# KiCad board tc2-panel.kicad_pcb (continued)
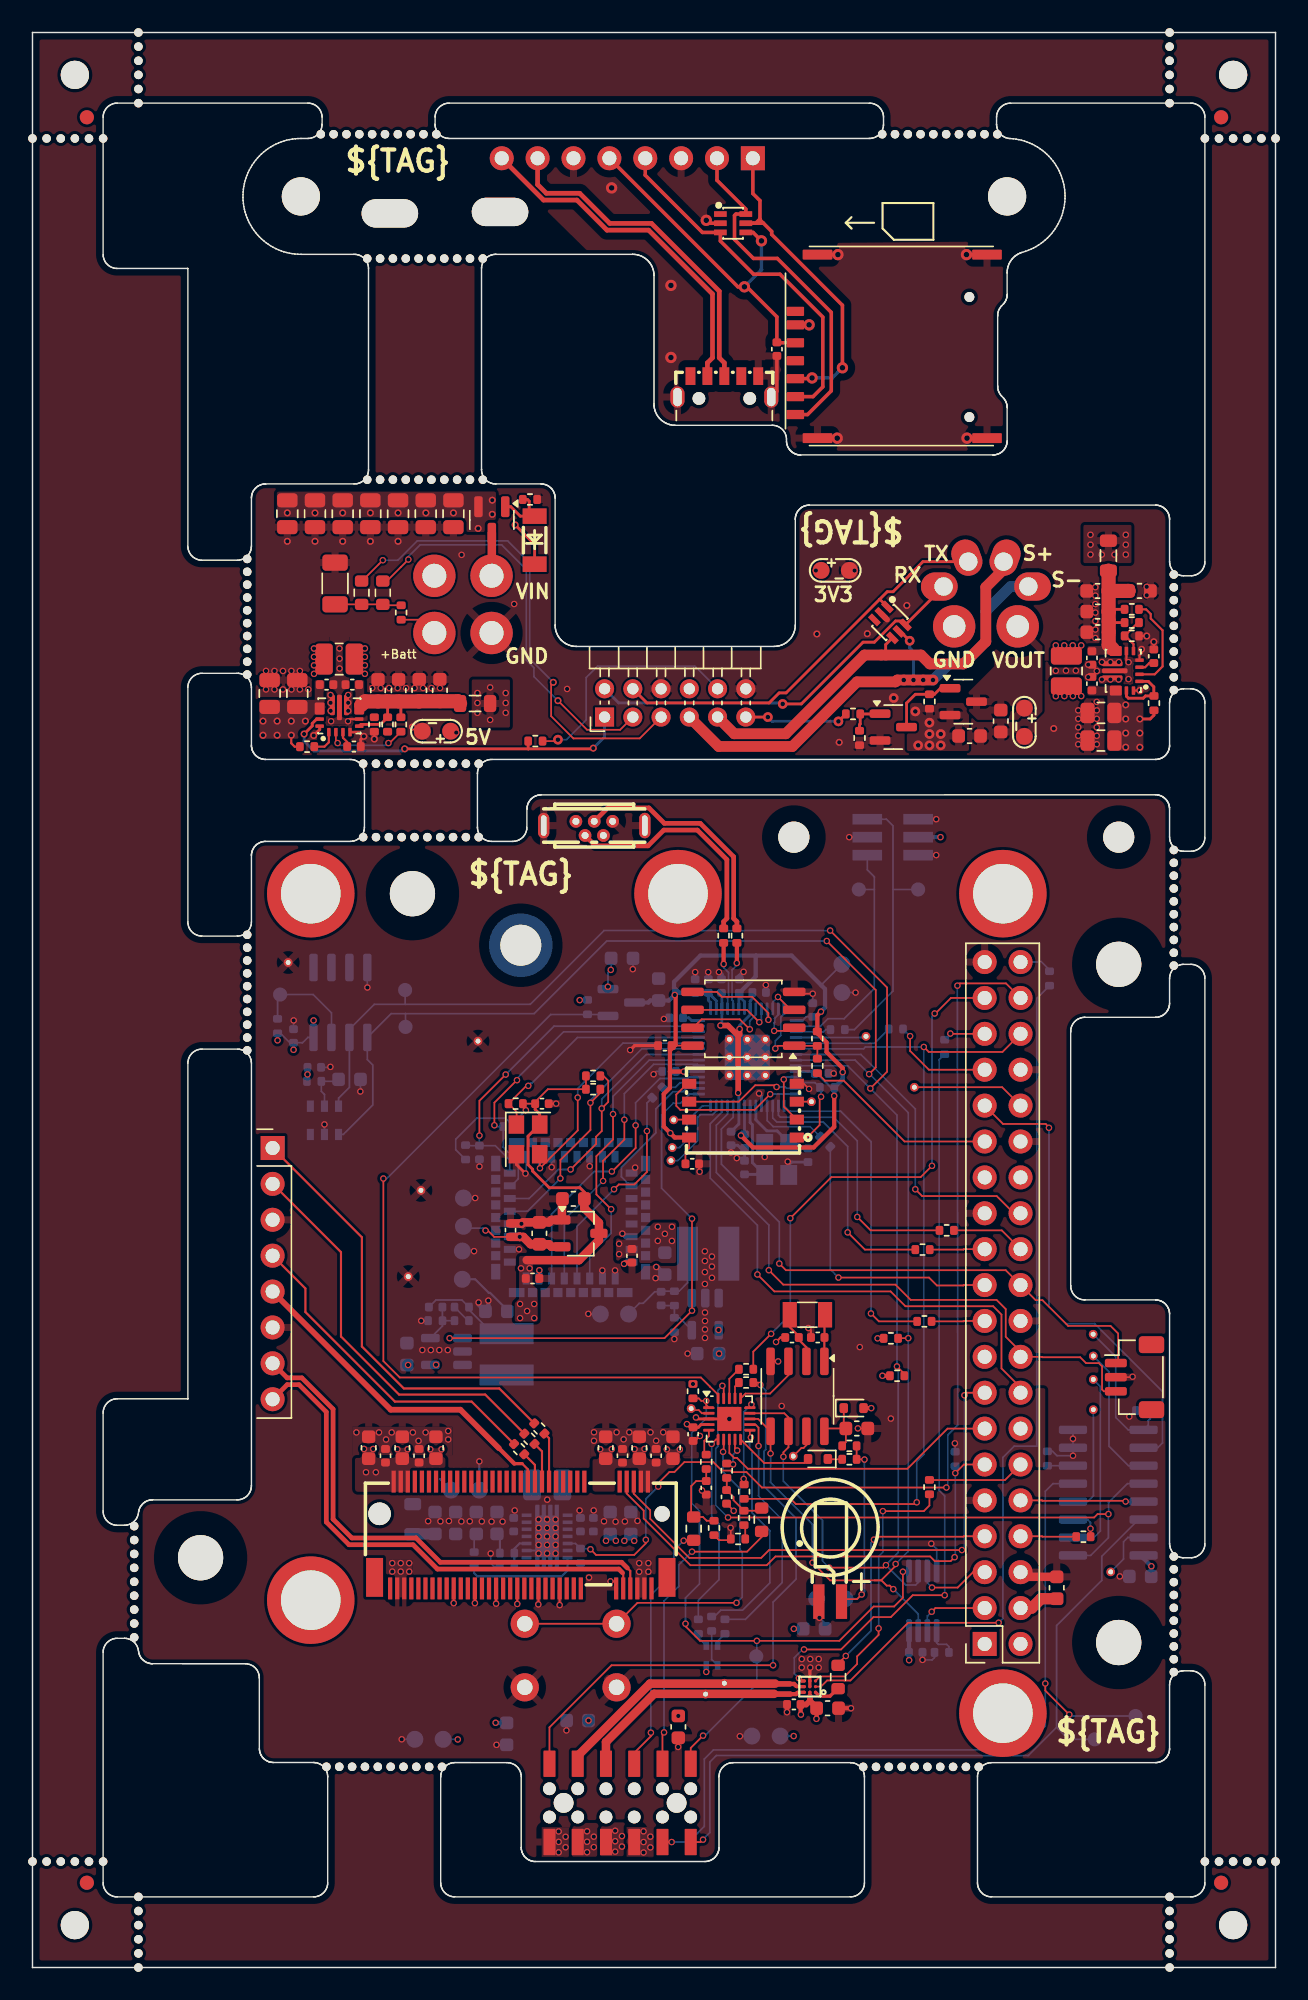
[diagram p0: board, top side]
## Placement (name value [footprint] x y rotation side) (continued)
R206  100k  [R_0402_1005Metric]  58.55 87.02 90 top
R207  470k  [R_0402_1005Metric]  77.83 95.19 0 top
R208  10k  [R_0402_1005Metric]  79.4 89.48 90 top
R209  150k  [R_0402_1005Metric]  77.83 94.25 0 top
R210  100k  [R_0402_1005Metric]  77.83 96.12 0 top
R211  100k  [R_0402_1005Metric]  35.6 86.8 180 top
R212  680k  [R_0402_1005Metric]  25.14 87.97 270 top  (not fitted)
R213  10k  [R_0402_1005Metric]  19.44 86.41 0 top
R214  130k  [R_0402_1005Metric]  24.2 87.97 270 top  (not fitted)
R215  100k  [R_0402_1005Metric]  26.08 87.97 270 top
R217  180R  [R_0402_1005Metric]  26.1 95.9 270 top
SW101  SW_Push  [SW_PUSH_6mm]  41.35 24.33 180 bottom
TP101  TestPoint  [TestPoint_Pad_D1.0mm]  62.7 76.3 180 bottom
TP102  TestPoint  [TestPoint_Pad_D1.0mm]  58.5 76.3 180 bottom
TP103  TP_2P  [test-point-2p]  57.3 70 90 bottom
TP104  TestPoint  [TP]  18.1 71.13 0 top
TP105  TestPoint  [TP]  31.54 65.56 180 bottom
TP106  TestPoint  [TP]  26.6 48.9 180 bottom
TP107  TestPoint  [TP]  27.5 55 180 bottom
TP108  TestPoint  [TestPoint_Pad_D1.0mm]  26.41 66.57 180 bottom
TP109  TestPoint  [TP]  59.01 65.9 90 bottom
TP110  TestPoint  [TestPoint_Pad_D1.0mm]  26.38 69.18 180 bottom
TP111  TestPoint  [TP]  45.2 57.11 90 bottom
TP112  TestPoint  [TP]  45.29 58.03 90 bottom
TP113  TestPoint  [TP]  45.39 59.99 90 bottom
TP114  TestPoint  [TP]  55.15 61.28 90 bottom
TP115  TP_2P  [test-point-2p]  56.52 26.1 0 bottom
TP116  TestPoint  [TP]  53.86 36.19 180 top
TP117  TestPoint  [TestPoint_Pad_D1.0mm]  17.53 68.86 180 bottom
TP118  TP_2P  [test-point-2p]  28.07 16.15 0 bottom
TP119  TP_2P  [test-point-2p]  51.93 16.38 0 bottom
TP120  TestPoint  [TP]  47.65 19.35 0 top
TP121  TestPoint  [TestPoint_Pad_D1.0mm]  51.24 22.02 180 bottom
TP122  TestPoint  [TP]  48.98 20.12 0 top
TP123  TestPoint  [TP]  62.43 62.3 180 bottom
TP124  TestPoint  [TP]  75.1 41.62 180 bottom
TP125  TestPoint  [TP]  76.33 28 180 bottom
TP126  TestPoint  [TestPoint_Pad_D1.0mm]  75.2 16.15 180 bottom
TP127  TestPoint  [TP]  75.1 39.48 180 bottom
TP128  TestPoint  [TestPoint_Pad_D1.0mm]  78.09 17.8 180 bottom
TP129  TestPoint  [TP]  75.1 43.28 180 bottom
TP130  TestPoint  [TP]  75.09 44.82 180 bottom
TP131  TP_2P  [test-point-2p]  30.43 49.71 270 bottom
TP132  TP_2P  [test-point-2p]  41.2 46.25 0 bottom
TP133  TP_2P  [test-point-2p]  30.51 53.46 270 bottom
TP134  TP_2P  [test-point-2p]  30.63 33.79 180 bottom
TP135  TestPoint  [TP]  46.63 39.56 180 bottom
TP201  TestPoint_2Pole  [test-point-2p]  70.22 88.13 90 top
TP202  TestPoint_2Pole  [test-point-2p]  56.83 98.88 180 top
TP203  TestPoint_2Pole  [test-point-2p]  28.6 87.5 0 top
U101  W25Q128JVS  [SOIC-8_5.23x5.23mm_P1.27mm]  50.33 67.14 180 top
U102  RP2040  [RP2040-QFN-56]  50.61 64.42 180 bottom
U103  MT29F2G01ABAGDWB-IT  [U-PDFN-8_L6.0-W8.0-P1.27-BL]  50.3 60.65 90 top
U104  AHT20_C2757850  [SENSOR-SMD_L3.0-W3.0-P1.00-BR]  20.67 59.96 90 bottom
U105  PCF8563T  [SOIC-8_3.9x4.9mm_P1.27mm]  54.16 40.42 270 top
U106  M24C02-WMN  [SOIC-8_3.9x4.9mm_P1.27mm]  21.8 68.3 270 bottom
U107  MAX98357AEWL+T  [WLP-9_L1.4-W1.3-P0.40-R3-C3-BR]  55.03 19.88 0 top
U108  TCA4311ADGKR  [MSOP-8_3x3mm_P0.65mm]  63.03 25.95 270 bottom
U109  74HC4052  [SOP-16_3.9x9.9mm_P1.27mm]  76.16 33.61 0 bottom
U110  TD6810  [TSOT-23-5]  29.31 43.6 180 bottom
U111  TD6810  [TSOT-23-5]  47.63 46.24 270 bottom
U112  ME6216A28XG  [TSOT-23]  38.79 51.96 0 top
U113  3N25000G33YC  [Oscillator_SMD_Abracon_ASE-4Pin_3.2x2.5mm]  35.08 58.61 270 top
U114  Flir_LEPTON  [MOLEX_105028-1001]  38.1 53.08 180 bottom
U115  TPS6302x  [VSON-14_L4.0-W3.0-P0.50-BL-EP_TI_DSJ]  36.43 30.51 90 bottom
U116  SIM7600G-H-M.2  [M.2]  34.57 30.61 180 top
U117  ATtiny1616-M  [VQFN-20-1EP_3x3mm_P0.4mm_EP1.7x1.7mm]  49.33 38.83 0 top
U201  TPS63070RNMR  [TPS63070]  77.22 91.78 180 top
U202  TPS63071  [TPS63070]  21.73 88.58 90 top
U501  ~  [ziptie]  25.3 124.15 270 top
U502  ~  [ziptie]  33.1 124.25 270 top
U503  ~  [K-DYX-010]  54.01 109.91 90 top
USB501  U-G-M5WS-W-01  [MICRO-USB-SMD_U-G-M5WS-W-01]  48.98 111.89 0 top
Y101  Crystal_GND24  [Crystal_SMD_3225-4Pin_3.2x2.5mm]  52.69 57.2 270 bottom
Y102  Crystal  [Crystal_SMD_3215-2Pin_3.2x1.5mm]  54.86 46.2 180 top

## Library data of the parts
BT101 = -: LCSC Part: C80909
C101-C109 C114 C117 C121 C129 C130 C141-C145 C148 C150 C158 C163 C166 C501 = -: LCSC Part: C16772
C110 C111 C119 C120 C128 C132 C133 C135-C138 C140 C208 C209 = -: LCSC Part: C19702
C112 C113 C118 = -: LCSC Part: C52923
C115 C116 C134 C139 C149 C159 C164 = -: LCSC Part: C1547
C122 C123 = -: Description: Unpolarized capacitor, small symbol; LCSC Part: C1555
C124-C127 C131 C146 C147 C151-C157 C160-C162 C214-C217 C223-C226 = -: LCSC Part: C86295
C165 C167 = -: LCSC Part: C1555
C201-C207 C210 C211 C219 C220 = -: LCSC Part: C45783
C212 C221 = -: LCSC Part: C159814
C213 C222 = -: LCSC Part: C15525
C218 C227 = -: LCSC Part: C100072
C228 = -: Description: Unpolarized capacitor, small symbol; LCSC Part: C13832
D101 D102 = -: LCSC Part: C668989; Sim.Pins: 1=K 2=A
D201 = -: LCSC Part: C7497481
D202 = -: Datasheet: https://lcsc.com/product-detail/TVS_ON_SMF05CT1G_SMF05CT1G_C15879.html; Manufacturer: ON; LCSC Part: C15879
D501 = -: Datasheet: https://lcsc.com/product-detail/TVS_ON_SMF05CT1G_SMF05CT1G_C15879.html; LCSC Part: C15879; Manufacturer: ON
FB101 FB201 FB202 = -: LCSC Part: C76818
J101 = -: LCSC Part: C3975129
J102 = -: Description: USB Micro Type B connector; LCSC Part: C145795
J103 = -: LCSC Part: C160389
J104 = -: Digikey: BF100-12-A-D-1-0640-L-C; LCSC Part: C6470934
J105-J109 = -: Description: Generic screw terminal, single row, 01x01, script generated (kicad-library-utils/schlib/autogen/connector/); LCSC Part: C2915630
J110 = -: Datasheet: https://www.raspberrypi.org/documentation/hardware/raspberrypi/schematics/rpi_SCH_3bplus_1p0_reduced.pdf; Description: expansion header for Raspberry Pi 2 & 3; LCSC Part: C350295
J112 = -: Description: Generic screw terminal, single row, 01x01, script generated (kicad-library-utils/schlib/autogen/connector/); LCSC Part: C2928176
J203 = -: Digikey: 2073-BF060-12A-B-0600-0280-0305-L-D-ND; LCSC Part: C7086099
L101 L102 = -: LCSC Part: C436646
L103 = -: LCSC Part: C285917
L201 L202 = -: LCSC Part: C5179452
LED101 = -: Manufacturer: 国星光电; LCSC Part: C2874115; JLC Part: Extended Part
Q101 = -: Description: P-MOSFET transistor, gate/source/drain; LCSC Part: C15127
Q201 Q202 = -: LCSC Part: C15127
Q203 = -: Datasheet: http://www.aosmd.com/pdfs/datasheet/AO3400A.pdf; Description: 30V Vds, 5.7A Id, N-Channel MOSFET, SOT-23; LCSC Part: C20917
R101 R111 R115 R117 R125 R126 R129-R131 R133 R134 R136 R137 R141 R142 R149 R201 R204 R206 R210 R211 R215 = -: LCSC Part: C25741
R102-R104 R110 R119-R124 R135 R143-R145 = -: LCSC Part: C25092
R105 R107 R127 R147 R151 R208 R213 = -: LCSC Part: C25744
R106 R109 R113 R114 R118 R154-R156 R205 = -: LCSC Part: C11702
R112 R157-R159 R217 = -: LCSC Part: C38941
R116 = -: LCSC Part: C326730
R128 = -: LCSC Part: C2943536
R132 = -: LCSC Part: C25741; MPN: RC1005F103CS
R138 R139 = -: LCSC Part: C26083
R140 = -: LCSC Part: C25755
R146 R150 R202 R203 = -: Description: Resistor; LCSC Part: C326730
R152 = -: LCSC Part: C445619
R153 = -: LCSC Part: C445618
R160 R207 = -: LCSC Part: C319591
R209 = -: LCSC Part: C723770
SW101 = -: Description: Push button switch, generic, two pins; LCSC Part: C4364951
TP101 TP102 TP108 TP110 TP117 TP121 TP126 TP128 = -: Description: test point
U101 = -: Datasheet: http://www.winbond.com/resource-files/w25q128jv_dtr%20revc%2003272018%20plus.pdf; Description: 128Mb Serial Flash Memory, Standard/Dual/Quad SPI, SOIC-8; LCSC Part: C97521
U102 = -: Datasheet: https://datasheets.raspberrypi.com/rp2040/rp2040-datasheet.pdf; LCSC: C2040; LCSC Part: C2040
U103 = -: Datasheet: https://lcsc.com/product-detail/FLASH_Micron-Tech-MT29F2G01ABAGDWB-IT-G_C410863.html; JLC Part: Extended Part; LCSC Part: C410863; Manufacturer: micron(镁光)
U104 = -: LCSC Part: C2757850
U105 = -: Datasheet: https://www.nxp.com/docs/en/data-sheet/PCF8563.pdf; LCSC Part: C7440
U106 = -: Datasheet: http://www.st.com/content/ccc/resource/technical/document/datasheet/b0/d8/50/40/5a/85/49/6f/DM00071904.pdf/files/DM00071904.pdf/jcr:content/translations/en.DM00071904.pdf; LCSC Part: C7562
U107 = -: JLC Part: Extended Part; LCSC Part: C2682619; Manufacturer: ADI(亚德诺)
U108 = -: Datasheet: https://lcsc.com/product-detail/Interface-ICs_TI_TCA4311ADGKR_TCA4311ADGKR_C130025.html; LCSC Part: C130025
U109 = -: Datasheet: https://lcsc.com/product-detail/Analog-Switches_AiP74HC4052_C111594.html; LCSC Part: C111594
U110 U111 = -: Datasheet: https://datasheet.lcsc.com/lcsc/1810182213_Techcode-Semicon-TD6810_C16510.pdf; LCSC Part: C16510
U112 = -: Datasheet: https://datasheet.lcsc.com/lcsc/1912111437_MICRONE-Nanjing-Micro-One-Elec-ME6216A28XG_C427601.pdf; LCSC Part: C427601
U113 = -: Datasheet: https://datasheet.lcsc.com/lcsc/1810271633_SJK-SHENZHEN-CRYSTAL-TECH-3N25000G33YC_C252341.pdf; JLCPCB: C252341; LCSC Part: C252341
U114 = -: Datasheet: https://cdn.sparkfun.com/datasheets/Sensors/Infrared/FLIR_Lepton_Data_Brief.pdf; LCSC Part: C585422; MPN: 1050281001
U115 = -: Datasheet: https://www.ti.com/lit/ds/symlink/tps63020.pdf?HQS=dis-dk-null-digikeymode-dsf-pf-null-wwe&ts=1663326350484&ref_url=https%253A%252F%252Fwww.ti.com%252Fgeneral%252Fdocs%252Fsuppproductinfo.tsp%253FdistId%253D10%2526gotoUrl%253Dhttps%253A%252F%252Fwww.ti.com%252Flit%252Fgpn%252Ftps63020; LCSC Part: C15483
U116 = -: LCSC Part: C2761526
U117 = -: Datasheet: http://ww1.microchip.com/downloads/en/DeviceDoc/ATtiny3216_ATtiny1616-data-sheet-40001997B.pdf; LCSC Part: C507118
U201 = -: Datasheet: https://www.ti.com/lit/ds/symlink/tps63070.pdf?HQS=dis-dk-null-digikeymode-dsf-pf-null-wwe&ts=1731997103101; LCSC Part: C109322
U202 = -: Datasheet: https://lcsc.com/product-detail/DC-DC-Converters_TI_TPS63070RNMR_TPS63070RNMR_C109322.html; LCSC Part: C2876599
U503 = -: LCSC Part: C2919617
USB501 = -: LCSC Part: C283546
Y101 = -: LCSC Part: C9002
Y102 = -: LCSC Part: C32346

## Footprints (pads in the part's own frame, mm; a bottom-side part is the same pattern mirrored in y, then rotated)
C_0402_1005Metric
  rrect 0.56x0.62 smd: 1(-0.48,0) 2(0.48,0)
C_0603_1608Metric
  rrect 0.9x0.95 smd: 1(-0.775,0) 2(0.775,0)
C_0805_2012Metric
  rrect 1x1.45 smd: 1(-0.95,0) 2(0.95,0)
C_1206_3216Metric
  rrect 1.15x1.8 smd: 1(-1.475,0) 2(1.475,0)
CAP-SMD_FL11E
  rect 2.45x0.79 smd: 1(0.175,0.805)
  rect 2.45x0.8 smd: 2(0.175,-0.8)
Crystal_SMD_3215-2Pin_3.2x1.5mm
  rect 1x1.8 smd: 1(1.25,0) 2(-1.25,0)
Crystal_SMD_3225-4Pin_3.2x2.5mm
  rect 1.4x1.2 smd: 1(-1.1,-0.85) 2(1.1,-0.85) 3(1.1,0.85) 4(-1.1,0.85)
D_SOD-523
  rrect 0.6x0.7 smd: 1(-0.7,0) 2(0.7,0)
Fiducial
  round 1 smd: (0,0)
IND-SMD_L4.0-W4.0_SWPA4018S
  rect 1.48x3.82 smd: 1(1.46,0) 2(-1.46,0)
jcon-2+4pin-m16
  round 3 hole 1.6: 1(-2.25,-1.58) 6(2.25,-1.58)
  oval 2.6x2 hole 1.3: 2(-3,1.24) 5(3,1.24)
  oval 2.6x2 hole 1.3 rot 110: 3(-1.25,3)
  oval 2x2.6 hole 1.3 rot 160: 4(1.25,3)
jcon-4pin_m16
  round 3 hole 1.7: 1(-2.025,-2.025) 2(2.025,-2.025) 3(2.025,2.025) 4(-2.025,2.025)
JST_SH_BM03B-SRSS-TB_1x03-1MP_P1.00mm_Vertical
  rrect 0.6x1.55 smd: 1(-1,-1.325) 2(0,-1.325) 3(1,-1.325)
  rrect 1.2x1.8 smd: MP_1(2.3,1.2) MP_2(-2.3,1.2)
K-DYX-010
  round 0.7 hole 0.7 unplated: (-0.18,-12.315) (8.32,-12.315)
  rrect 0.65x1.23 smd: C1(5.08,0) C2(2.54,0) C3(0,0) C5(6.35,0) C6(3.81,0) C7(1.27,0) CD(7.3,0)
  rrect 0.7x2.1 smd: MP(-1.67,-1.565) MP_2(-1.67,-13.565) MP_3(11.32,-13.565) MP_4(11.32,-1.565)
L_0805_2012Metric
  rrect 0.875x1.2 smd: 1(-1.062,0) 2(1.062,0)
L_1008_2520Metric
  rrect 1.25x2.2 smd: 1(-1.075,0) 2(1.075,0)
LED-ARRAY-SMD_4P-L1.6-W1.5-TL_NH-B1515RGBA
  rect 0.6x0.4 smd: 1(-0.7,0.4) 2(0.7,0.4) 3(0.7,-0.4) 4(-0.7,-0.4)
LL-34_L3.5-W1.5-RD
  rect 1.1x1.7 smd: 1(-1.7,0) 2(1.7,0)
M2_modem_mount_screw
  round 3.1 hole 2.9: 1(0,0)
  round 4.5 smd: 1(0,0)
M.2
  round 1.1 hole 1.1 unplated: (-10,-1.5)
  round 1.6 hole 1.6 unplated: (10,-1.5)
  rect 0.3x1.55 smd: 1(-9.25,3.78) 2(-9,-3.78) 3(-8.75,3.78) 4(-8.5,-3.78) 5(-8.25,3.78) 6(-8,-3.78) 7(-7.75,3.78) 8(-7.5,-3.78) 9(-7.25,3.78) 10(-7,-3.78) 11(-6.75,3.78) 20(-4.5,-3.78) 21(-4.25,3.78) 22(-4,-3.78) 23(-3.75,3.78) 24(-3.5,-3.78) 25(-3.25,3.78) 26(-3,-3.78) 27(-2.75,3.78) 28(-2.5,-3.78) 29(-2.25,3.78) 30(-2,-3.78) 31(-1.75,3.78) 32(-1.5,-3.78) 33(-1.25,3.78) 34(-1,-3.78) 35(-0.75,3.78) 36(-0.5,-3.78) 37(-0.25,3.78) 38(0,-3.78) 39(0.25,3.78) 40(0.5,-3.78) 41(0.75,3.78) 42(1,-3.78) 43(1.25,3.78) 44(1.5,-3.78) 45(1.75,3.78) 46(2,-3.78) 47(2.25,3.78) 48(2.5,-3.78) 49(2.75,3.78) 50(3,-3.78) 51(3.25,3.78) 52(3.5,-3.78) 53(3.75,3.78) 54(4,-3.78) 55(4.25,3.78) 56(4.5,-3.78) 57(4.75,3.78) 58(5,-3.78) 59(5.25,3.78) 60(5.5,-3.78) 61(5.75,3.78) 62(6,-3.78) 63(6.25,3.78) 64(6.5,-3.78) 65(6.75,3.78) 66(7,-3.78) 67(7.25,3.78) 68(7.5,-3.78) 69(7.75,3.78) 70(8,-3.78) 71(8.25,3.78) 72(8.5,-3.78) 73(8.75,3.78) 74(9,-3.78) 75(9.25,3.78)
  rect 1.2x2.75 smd: 76(10.35,3) 77(-10.35,3)
mic-pcb
  rect 2.1x0.75 smd: 1(1.8,1.27) 2(-1.8,1.27) 3(1.8,0) 4(-1.8,0) 5(1.8,-1.27) 6(-1.8,-1.27)
MICRO-USB-SMD_U-G-M5WS-W-01
  round 0.9 hole 0.9 unplated: (-1.8,-0.84) (1.8,-0.84)
  rect 0.7x1.25 smd: 1(-2.4,0.74) 2(-1.2,0.74) 3(0,0.74) 4(1.2,0.74) 5(2.4,0.74)
  oval 1x1.5 hole 0.6x1.3: 6(-3.32,-0.74) 7(3.32,-0.74)
MICRO-USB-TH_MICRO-USB-A14
  round 0.9 hole 0.5: 1(-1.3,0.5) 2(-0.65,-0.5) 3(0,0.5) 4(0.65,-0.5) 5(1.3,0.5)
  oval 0.8x1.8 hole 0.4x1.45: 6(-3.58,0.2) 6(3.58,0.2)
MOLEX_105028-1001
  rect 0.65x1.1 smd: (-5.305,-3.825) (-5.305,3.825) (5.305,-3.825) (5.305,3.825)
  rect 0.65x0.65 smd: (-5.305,-2.7) (-5.305,-1.8) (-5.305,-0.9) (-5.305,0) (-5.305,0.9) (-5.305,1.8) (-5.305,2.7) (-2.7,-5.305) (-2.7,5.305) (-1.8,-5.305) (-1.8,5.305) (-0.9,-5.305) (-0.9,5.305) (0,-5.305) (0,5.305) (0.9,-5.305) (0.9,5.305) (1.8,-5.305) (1.8,5.305) (2.7,-5.305) (2.7,5.305) (5.305,-2.7) (5.305,-1.8) (5.305,-0.9) (5.305,0) (5.305,0.9) (5.305,1.8) (5.305,2.7)
  rect 1.1x0.65 smd: (-3.825,-5.305) (-3.825,5.305) (3.825,-5.305) (3.825,5.305)
  rect 0.84x0.5 smd: 1(-4.31,3.15) 2(-4.31,2.25) 3(-4.31,1.35) 4(-4.31,0.45) 5(-4.31,-0.45) 6(-4.31,-1.35) 7(-4.31,-2.25) 8(-4.31,-3.15) 17(4.31,-3.15) 18(4.31,-2.25) 19(4.31,-1.35) 20(4.31,-0.45) 21(4.31,0.45) 22(4.31,1.35) 23(4.31,2.25) 24(4.31,3.15)
  rect 0.5x0.84 smd: 9(-3.15,-4.31) 10(-2.25,-4.31) 11(-1.35,-4.31) 12(-0.45,-4.31) 13(0.45,-4.31) 14(1.35,-4.31) 15(2.25,-4.31) 16(3.15,-4.31) 25(3.15,4.31) 26(2.25,4.31) 27(1.35,4.31) 28(0.45,4.31) 29(-0.45,4.31) 30(-1.35,4.31) 31(-2.25,4.31) 32(-3.15,4.31)
MountingHole_2.2mm_M2
  round 4.4 hole 2.2 unplated: (0,0)
MountingHole_2.7mm_M2.5
  round 5.4 hole 2.7 unplated: (0,0)
MountingHole_3.2mm_M3
  round 6.4 hole 3.2 unplated: (0,0)
MSOP-8_3x3mm_P0.65mm
  rrect 1.625x0.4 smd: 1(-2.112,0.975) 2(-2.112,0.325) 3(-2.112,-0.325) 4(-2.112,-0.975) 5(2.112,-0.975) 6(2.112,-0.325) 7(2.112,0.325) 8(2.112,0.975)
NPTH
  round 0.6 hole 0.6 unplated: (0,0)
NPTH#2
  round 2 hole 2 unplated: (0,0)
Oscillator_SMD_Abracon_ASE-4Pin_3.2x2.5mm
  rect 1.3x1.1 smd: 1(-1.05,-0.825) 2(1.05,-0.825) 3(1.05,0.825) 4(-1.05,0.825)
PinHeader_1x08_P2.54mm_Vertical
  rect 1.7x1.7 hole 1: 1(0,0)
  oval 1.7x1.7 hole 1: 2(0,-2.54) 3(0,-5.08) 4(0,-7.62) 5(0,-10.16) 6(0,-12.7) 7(0,-15.24) 8(0,-17.78)
PinHeader_2x06_P2.00mm_Horizontal
  rect 1.35x1.35 hole 0.8: 1(0,0)
  oval 1.35x1.35 hole 0.8: 2(2,0) 3(0,-2) 4(2,-2) 5(0,-4) 6(2,-4) 7(0,-6) 8(2,-6) 9(0,-8) 10(2,-8) 11(0,-10) 12(2,-10)
power-pcb-3.1
  round 0.9 hole 0.9 unplated: (-5,1) (-5,-1) (-3,1) (-3,-1) (-1,1) (-1,-1) (1,1) (1,-1) (3,1) (3,-1) (5,1) (5,-1)
  round 1.4 hole 1.4 unplated: (-4,0) (4,0)
  rrect 0.85x1.86 smd: 1(-5,-2.77) 2(-5,2.77) 3(-3,-2.77) 4(-3,2.77) 5(-1,-2.77) 6(-1,2.77) 7(1,-2.77) 8(1,2.77) 9(3,-2.77) 10(3,2.77) 11(5,-2.77) 12(5,2.77)
R_0402_1005Metric
  rrect 0.54x0.64 smd: 1(-0.51,0) 2(0.51,0)
R_0603_1608Metric
  rrect 0.8x0.95 smd: 1(-0.825,0) 2(0.825,0)
RP2040-QFN-56
  rrect 1.084x1.084 smd: (-0.637,-0.637) (-0.637,0.637) (0.637,-0.637) (0.637,0.637)
  rrect 0.875x0.2 smd: 1(-3.438,2.6) 2(-3.438,2.2) 3(-3.438,1.8) 4(-3.438,1.4) 5(-3.438,1) 6(-3.438,0.6) 7(-3.438,0.2) 8(-3.438,-0.2) 9(-3.438,-0.6) 10(-3.438,-1) 11(-3.438,-1.4) 12(-3.438,-1.8) 13(-3.438,-2.2) 14(-3.438,-2.6) 29(3.438,-2.6) 30(3.438,-2.2) 31(3.438,-1.8) 32(3.438,-1.4) 33(3.438,-1) 34(3.438,-0.6) 35(3.438,-0.2) 36(3.438,0.2) 37(3.438,0.6) 38(3.438,1) 39(3.438,1.4) 40(3.438,1.8) 41(3.438,2.2) 42(3.438,2.6)
  rrect 0.2x0.875 smd: 15(-2.6,-3.438) 16(-2.2,-3.438) 17(-1.8,-3.438) 18(-1.4,-3.438) 19(-1,-3.438) 20(-0.6,-3.438) 21(-0.2,-3.438) 22(0.2,-3.438) 23(0.6,-3.438) 24(1,-3.438) 25(1.4,-3.438) 26(1.8,-3.438) 27(2.2,-3.438) 28(2.6,-3.438) 43(2.6,3.438) 44(2.2,3.438) 45(1.8,3.438) 46(1.4,3.438) 47(1,3.438) 48(0.6,3.438) 49(0.2,3.438) 50(-0.2,3.438) 51(-0.6,3.438) 52(-1,3.438) 53(-1.4,3.438) 54(-1.8,3.438) 55(-2.2,3.438) 56(-2.6,3.438)
  round 0.6 hole 0.35: 57(-1.275,-1.275) 57(-1.275,0) 57(-1.275,1.275) 57(0,-1.275) 57(0,0) 57(0,1.275) 57(1.275,-1.275) 57(1.275,0) 57(1.275,1.275)
  rrect 3.2x3.2 smd: 57(0,0)
rpi-throughhole-socket
  rect 1.7x1.7 hole 1: 1(0,0)
  oval 1.7x1.7 hole 1: 2(-2.54,0) 3(0,-2.54) 4(-2.54,-2.54) 5(0,-5.08) 6(-2.54,-5.08) 7(0,-7.62) 8(-2.54,-7.62) 9(0,-10.16) 10(-2.54,-10.16) 11(0,-12.7) 12(-2.54,-12.7) 13(0,-15.24) 14(-2.54,-15.24) 15(0,-17.78) 16(-2.54,-17.78) 17(0,-20.32) 18(-2.54,-20.32) 19(0,-22.86) 20(-2.54,-22.86) 21(0,-25.4) 22(-2.54,-25.4) 23(0,-27.94) 24(-2.54,-27.94) 25(0,-30.48) 26(-2.54,-30.48) 27(0,-33.02) 28(-2.54,-33.02) 29(0,-35.56) 30(-2.54,-35.56) 31(0,-38.1) 32(-2.54,-38.1) 33(0,-40.64) 34(-2.54,-40.64) 35(0,-43.18) 36(-2.54,-43.18) 37(0,-45.72) 38(-2.54,-45.72) 39(0,-48.26) 40(-2.54,-48.26)
SENSOR-SMD_L3.0-W3.0-P1.00-BR
  rect 0.8x0.5 smd: 1(1,-1) 2(1,0) 3(1,1) 4(-1,1) 5(-1,0) 6(-1,-1)
sim-usb-pcb
  rect 1.7x1.7 hole 1: 1(0,0)
  oval 1.7x1.7 hole 1: 2(0,-2.54) 3(0,-5.08) 4(0,-7.62) 5(0,-10.16) 6(0,-12.7) 7(0,-15.24) 8(0,-17.78)
smd_nut_SMTSO25
  round 4.42 hole 4.22: 1(0,0)
  round 6.2 smd: 1(0,0)
SOIC-8_3.9x4.9mm_P1.27mm
  rrect 1.95x0.6 smd: 1(-2.475,1.905) 2(-2.475,0.635) 3(-2.475,-0.635) 4(-2.475,-1.905) 5(2.475,-1.905) 6(2.475,-0.635) 7(2.475,0.635) 8(2.475,1.905)
SOIC-8_5.23x5.23mm_P1.27mm
  rrect 1.6x0.6 smd: 1(-3.6,1.905) 2(-3.6,0.635) 3(-3.6,-0.635) 4(-3.6,-1.905) 5(3.6,-1.905) 6(3.6,-0.635) 7(3.6,0.635) 8(3.6,1.905)
SOP-16_3.9x9.9mm_P1.27mm
  rrect 2x0.6 smd: 1(-2.5,4.445) 2(-2.5,3.175) 3(-2.5,1.905) 4(-2.5,0.635) 5(-2.5,-0.635) 6(-2.5,-1.905) 7(-2.5,-3.175) 8(-2.5,-4.445) 9(2.5,-4.445) 10(2.5,-3.175) 11(2.5,-1.905) 12(2.5,-0.635) 13(2.5,0.635) 14(2.5,1.905) 15(2.5,3.175) 16(2.5,4.445)
SOT-23
  rrect 1.475x0.6 smd: 1(-0.938,0.95) 2(-0.938,-0.95) 3(0.938,0)
SOT-363_L2.0-W1.3-P0.65-LS2.1-BR
  rect 0.9x0.4 smd: 1(0.9,-0.65) 2(0.9,0) 3(0.9,0.65) 4(-0.9,0.65) 5(-0.9,0) 6(-0.9,-0.65)
SW_PUSH_6mm
  round 2 hole 1.1: 1(0,0) 1(6.5,0) 2(0,-4.5) 2(6.5,-4.5)
test-point-2p
  round 1.2 smd: 1(-1,0) 2(1,0)
TestPoint_Pad_D1.0mm
  round 1 smd: 1(0,0)
TP
  round 0.61 hole 0.35: 1(0,0)
TPS63070
  rrect 0.6x0.25 smd: 1(-1.15,0.75) 2(-1.15,0.25) 3(-1.15,-0.25) 4(-1.15,-0.75) 7,8(0.51,-1.225) 12,13(0.51,1.225)
  rrect 0.25x0.6 smd: 5(-0.725,-1.4) 6(-0.225,-1.4) 7,8(0.275,-1.4) 7,8(0.775,-1.4) 12,13(0.275,1.4) 12,13(0.775,1.4) 14(-0.225,1.4) 15(-0.725,1.4)
  rrect 0.85x0.7 smd: 7,8(0.525,-1.4) 12,13(0.525,1.4)
  rrect 0.575x0.25 smd: 9(0.388,-0.5) 9(1.163,-0.5) 11(0.388,0.5) 11(1.163,0.5)
  rrect 1.45x0.35 smd: 9(0.775,-0.5) 11(0.775,0.5)
  rrect 0.72x0.25 smd: 10(0.14,0) 10(1.06,0)
  rrect 1.8x0.35 smd: 10(0.6,0)
TSOT-23
  rrect 1.22x0.65 smd: 1(-1.31,0.95) 2(-1.31,-0.95) 3(1.31,0)
TSOT-23-5
  rrect 1.325x0.6 smd: 1(-1.137,0.95) 2(-1.137,0) 3(-1.137,-0.95) 4(1.137,-0.95) 5(1.137,0.95)
U-PDFN-8_L6.0-W8.0-P1.27-BL
  rect 0.7x1 smd: 1(-1.91,-3.81) 2(-0.64,-3.81) 3(0.63,-3.81) 4(1.9,-3.81) 5(1.9,3.81) 6(0.63,3.81) 7(-0.64,3.81) 8(-1.91,3.81)
VQFN-20-1EP_3x3mm_P0.4mm_EP1.7x1.7mm
  rrect 0.5x0.5 smd: (-0.425,0.425) (-0.425,-0.425) (0.425,0.425) (0.425,-0.425)
  custom 0.8x0.2 smd: 1(-1.45,0.8) 5(-1.45,-0.8) 11(1.45,-0.8) 15(1.45,0.8)
  rrect 0.8x0.2 smd: 2(-1.45,0.4) 3(-1.45,0) 4(-1.45,-0.4) 12(1.45,-0.4) 13(1.45,0) 14(1.45,0.4)
  custom 0.2x0.8 smd: 6(-0.8,-1.45) 10(0.8,-1.45) 16(0.8,1.45) 20(-0.8,1.45)
  rrect 0.2x0.8 smd: 7(-0.4,-1.45) 8(0,-1.45) 9(0.4,-1.45) 17(0.4,1.45) 18(0,1.45) 19(-0.4,1.45)
  rect 1.7x1.7 smd: 21(0,0)
VSON-14_L4.0-W3.0-P0.50-BL-EP_TI_DSJ
  rect 0.25x0.7 smd: 1(-1.5,-1.45) 2(-1,-1.45) 3(-0.5,-1.45) 4(0,-1.45) 5(0.5,-1.45) 6(1,-1.45) 7(1.5,-1.45) 8(1.5,1.45) 9(1,1.45) 10(0.5,1.45) 11(0,1.45) 12(-0.5,1.45) 13(-1,1.45) 14(-1.5,1.45)
  custom 4.5x1.68 smd: 15(0,0)
WLP-9_L1.4-W1.3-P0.40-R3-C3-BR
  round 0.23 smd: A1(0.4,-0.4) A2(0,-0.4) A3(-0.4,-0.4) B1(0.4,0) B2(0,0) B3(-0.4,0) C1(0.4,0.4) C2(0,0.4) C3(-0.4,0.4)
ziptie
  oval 2x4 hole 2x4 unplated: (0,0)

## Nets
5V_EN-main: J104.1 R149.1 TP121.1 U108.1 U117.1
5V_EN-plugs: J203.1 R211.2 U202.14
+1V1-main: C101.1 C102.1 C112.1 U102.23 U102.45 U102.50
+1V2-main: C139.2 C140.1 C142.1 L102.2 R130.2 TP132.2 U114.7
+2V8-main: C138.1 C144.1 TP133.2 U112.2 U114.19
+3V0-main: C134.2 C135.1 C137.1 C141.1 C143.1 L101.2 R127.2 R132.2 R133.1 R134.1 R136.1 R137.1 TP131.2 U112.3 U113.4 U114.16
+3V3-main: C111.1 C118.1 C121.2 C124.1 C125.1 C130.2 C132.1 C133.1 C136.1 C166.2 D101.2 J101.4 J104.10 LED101.2 Q101.2 R101.2 R105.1 R107.1 R112.1 R115.2 R142.1 R149.2 TP118.2 U106.8 U108.8 U109.16 U110.4 U111.4 U117.4
+3V3-plugs: FB201.2 J203.10 R211.1 TP202.2
+3V3_rp2040-main: C103.1 C104.1 C105.1 C106.1 C107.1 C108.1 C109.1 C110.1 C113.1 C114.1 C117.1 Q101.3 R108.1 R111.2 TP103.2 U101.8 U102.1 U102.10 U102.22 U102.33 U102.42 U102.43 U102.44 U102.48 U102.49 U103.8
+3V8-main: C155.1 C156.1 C157.1 C158.2 C159.2 C160.1 C161.1 C162.1 C163.2 C164.2 FB101.2 TP134.2 U116.2 U116.4 U116.70 U116.72 U116.74
+5V-main: C126.1 C127.1 C128.1 C129.2 C131.1 C146.1 C147.1 C148.2 C149.2 J104.8 J110.2 J110.4 TP119.2 U107.A2 U115.10 U115.11
+5V-plugs: FB202.2 J203.8 TP203.2
/3V3_L1-plugs: L201.1 U201.11
/3V3_L2-plugs: L201.2 U201.9
/3V3_PHY-plugs: C213.1 C214.1 C215.1 C216.1 C217.1 FB201.1 R207.1 R210.1 U201.7,8
/5V_L1-plugs: L202.1 U202.11
/5V_L2-plugs: L202.2 U202.9
/5V_PHY-plugs: C222.1 C223.1 C224.1 C225.1 C226.1 FB202.1 R212.1 R215.1 U202.5 U202.7,8
/modem/3V3_L1-main: L103.1 U115.8 U115.9
/modem/3V3_L2-main: L103.2 U115.6 U115.7
/VIN_PHY-plugs: J201.2 Q201.3
GND-main: BT101.2 C101.2 C102.2 C103.2 C104.2 C105.2 C106.2 C107.2 C108.2 C109.2 C110.2 C111.2 C112.2 C113.2 C114.2 C115.1 C116.1 C117.2 C118.2 C119.2 C120.2 C121.1 C122.2 C123.2 C124.2 C125.2 C126.2 C127.2 C128.2 C129.1 C130.1 C131.2 C132.2 C133.2 C135.2 C136.2 C137.2 C138.2 C140.2 C141.2 C142.2 C143.2 C144.2 C145.2 C146.2 C147.2 C148.1 C149.1 C150.1 C151.2 C152.2 C153.2 C154.2 C155.2 C156.2 C157.2 C158.1 C159.1 C160.2 C161.2 C162.2 C163.1 C164.1 C165.1 C166.1 C167.1 J101.2 J101.3 J101.6 J102.5 J102.6 J103.2 J104.6 J104.12 J110.6 J110.9 J110.14 J110.20 J110.25 J110.30 J110.34 J110.39 J111.3 J111.6 R117.1 R125.1 R126.1 R129.2 R131.2 R140.2 R141.2 R153.2 R160.2 SW101.2 TP103.1 TP104.1 TP105.1 TP106.1 TP107.1 TP115.1 TP118.1 TP119.1 TP131.1 TP132.1 TP133.1 TP134.1 U101.4 U102.19 U102.57 U103.4 U104.5 U105.4 U106.4 U107.B2 U107.C2 U108.4 U109.7 U109.8 U110.2 U111.2 U112.1 U113.2 U114.1 U114.6 U114.8 U114.9 U114.10 U114.15 U114.18 U114.20 U114.25 U114.27 U114.30 U115.2 U115.15 U116.3 U116.5 U116.11 U116.27 U116.33 U116.39 U116.45 U116.51 U116.57 U116.71 U116.73 U117.3 U117.21 Y101.2 Y101.4
GND-plugs: C201.2 C202.2 C203.2 C204.2 C205.2 C206.2 C207.2 C208.2 C209.2 C210.2 C211.2 C212.2 C213.2 C214.2 C215.2 C216.2 C217.2 C218.2 C219.2 C220.2 C221.2 C222.2 C223.2 C224.2 C225.2 C226.2 C227.2 C228.2 D202.2 J201.1 J202.1 J203.6 J203.12 Q203.2 R201.2 R206.1 R209.2 R214.2 TP201.1 TP202.1 TP203.1 U201.4 U201.6 U201.10 U201.15 U202.4 U202.6 U202.10 U202.15
GND-sim: C501.1 D501.2 J501.3 J501.6 U503.C5 U503.MP U503.MP_2 U503.MP_3 U503.MP_4 USB501.5 USB501.6 USB501.7
VCC-plugs: C201.1 C202.1 C203.1 C204.1 C205.1 C206.1 C207.1 C208.1 C210.1 C211.1 C212.1 C219.1 C220.1 C221.1 D201.1 Q201.2 Q202.2 R204.2 R208.1 R213.1 U201.12,13 U202.12,13
4G_POWER_ON-main: J110.15 U116.6
4G_USB_D+-main: J111.7 U116.7
4G_USB_D+-sim: J501.7 USB501.3
4G_USB_D--main: J111.8 U116.9
4G_USB_D--sim: J501.8 USB501.2
/AHT21_VDD-main: C119.1 R112.2 U104.2
/ATtiny1616/ATTINY_PA3-main: TP135.1 U117.2
/ATtiny1616/BATT_SENSE_HV-main: C167.2 R150.2 R151.2 R152.1
/ATtiny1616/BATT_SENSE_LV-main: C165.2 R146.2 R147.2 R160.1
/ATtiny1616/EN_PERIPH_POWER_PHY-main: R155.1 U117.17
/ATtiny1616/~{PI_SHUTDOWN_PHY}-main: R156.1 U117.18
/ATtiny1616/~{READ_ATTINY_CMD_REG_PHY}-main: R154.1 U117.15
/Ch_GND-plugs: J201.3
/EEPROM_~{WC}-main: R115.1 TP117.1 U106.7
/GPIO2-main: TP109.1 U102.4
/GPIO16-main: TP111.1 U102.27
/GPIO17-main: TP112.1 U102.28
/I2C_BUS_LOCK_PHY-main: R106.2 U102.5
/Lepton/FB_1V2-main: C139.1 R130.1 R131.1 U111.5
/Lepton/FB_3V0-main: C134.1 R128.1 R129.1 U110.5
/Lepton/SW_1V2-main: L102.1 U111.3
/Lepton/SW_3V0-main: L101.1 U110.3
/MEM_~{HOLD}/IO3-main: TP113.1 U103.7
/MEM_~{WP}/IO2-main: TP114.1 U103.3
/modem/MODEM_3V8-main: C150.2 C151.1 C152.1 C153.1 C154.1 FB101.1 R138.1 R139.1 U115.4 U115.5
/PDM_CLOCK_PHY-main: R104.1 U102.3
/Raspberry_Pi/GPIO12-main: J110.32 TP123.1
/Raspberry_Pi/RPI_SPI_CS_-main: J110.24 R122.1
/Raspberry_Pi/RPI_SPI_MOSI_-main: J110.19 R123.1
/Raspberry_Pi/RPI_SPI_SCLK_-main: J110.23 R124.1
/Raspberry_Pi/~{UART_MULTIPLEX_EN}-main: R125.2 U109.6
/RPI_SPI_MISO_PHY-main: R110.1 U102.18
/RTC_BATTERY-main: BT101.1 R113.1 R114.2 TP115.2
/RTC_CLKO-main: TP116.1 U105.7
/RTC_OSCI-main: C122.1 U105.1 Y102.2
/RTC_OSCO-main: C123.1 U105.2 Y102.1
/RTC_VDD-main: C120.1 D101.1 R114.1 U105.8
/USB_D+_PHY-main: R102.1 U102.47
/USB_D-_PHY-main: R103.1 U102.46
ATtiny_RESET_UPDI-main: U109.1 U109.12 U117.19
BATT_SENSE_HV_PHY-main: R151.1 U117.9
BATT_SENSE_LV_PHY-main: R147.1 U117.5
BATTERY_HV-main: J104.3 R150.1
BATTERY_HV-plugs: J203.5 R203.2
BATTERY_LV-main: J104.5 R146.1
BATTERY_LV-plugs: J203.3 R202.2
BOOT_MODE-main: J110.29 R109.2
EN_PERIPH_POWER-main: J104.11 R155.2
EN_PERIPH_POWER-plugs: J203.11 R205.1
I2C_BUS_LOCK-main: J110.33 R106.1
I2S_BCLK-main: R119.1 U107.C1
I2S_DOUT-main: R121.1 U107.B1
I2S_LRCLK-main: R120.1 U107.C3
LEPTON_CLK_EN-main: R132.1 U102.39 U113.1
LEPTON_I2C_SCL-main: R137.2 U102.37 U114.21
LEPTON_I2C_SDA-main: R136.2 U102.36 U114.22
LEPTON_MASTER_CLK-main: U102.38 U113.3 U114.26
LEPTON_POWER_EN-main: U102.29 U110.1 U111.1
LEPTON_PWR_DWN_L-main: R133.2 U102.40 U114.23
LEPTON_RESET_L-main: C145.1 R134.2 U102.41 U114.24
LEPTON_SPI_CS-main: U102.32 U114.14
LEPTON_SPI_MISO-main: R135.1 U102.31
LEPTON_SPI_MOSI-main: U102.35 U114.11
LEPTON_SPI_SCLK-main: U102.34 U114.13
LEPTON_VSYNC-main: U102.30 U114.2
MEM_SPI_MISO-main: U102.11 U103.2
MEM_SPI_MOSI-main: U102.14 U103.5
MEM_SPI_SCLK-main: U102.13 U103.6
MEM_SPI_~{CS}-main: R111.1 U102.12 U103.1
MODEM_POWER_EN-main: J110.38 R141.1 U115.12
MUL_S0-main: J110.31 U109.10
OUT_RX-main: J104.2 TP126.1 U109.14
OUT_RX-plugs: D202.6 J202.2 J203.2
OUT_TX-main: J104.4 TP128.1 U109.5
OUT_TX-plugs: D202.1 J202.3 J203.4
PDM_CLOCK-main: J101.1 R104.2 TP101.1
PDM_DATA-main: J101.5 TP102.1 U102.2
QSPI_SCLK-main: U101.6 U102.52
QSPI_SD0-main: U101.5 U102.53
QSPI_SD1-main: U101.2 U102.55
QSPI_SD2-main: U101.3 U102.54
QSPI_SD3-main: U101.7 U102.51
QSPI_SS-main: R108.2 R109.1 U101.1 U102.56
RPI_PING-main: J110.26 U102.7
RPI_RX-main: J110.10 U109.13
RPI_SCL-main: J110.5 U108.3
RPI_SDA-main: J110.3 U108.6
RPI_SPI_CS-main: R122.2 U102.16
RPI_SPI_MISO-main: J110.21 R110.2
RPI_SPI_MOSI-main: R123.2 U102.15
RPI_SPI_SCLK-main: R124.2 U102.17
RPI_TX-main: R118.2 U109.3
RTC_BT_SENSE_PHY-main: D102.2 U117.10
RUN-main: J110.16 U102.26
SCL-main: R107.2 TP110.1 U102.9 U104.3 U105.6 U106.6 U108.2 U117.14
SDA-main: R105.2 TP108.1 U102.8 U104.4 U105.5 U106.5 U108.7 U117.13
SPEAKER_+-main: J104.7 TP120.1 U107.A3
SPEAKER_+-plugs: D202.4 J202.4 J203.9
SPEAKER_--main: J104.9 TP122.1 U107.B3
SPEAKER_--plugs: D202.5 J202.5 J203.7
SPEAKER_SD_MODE-main: J110.7 R116.1
SW_CLK-main: J103.1 J110.22 U102.24
SWD-main: J103.3 J110.18 U102.25
USB_D+-main: J102.3 R102.2
USB_D--main: J102.2 R103.2
USIM_CLK-main: J111.2 R144.2
USIM_CLK-sim: D501.6 J501.2 U503.C3
USIM_DATA-main: J111.4 R145.2
USIM_DATA-sim: D501.3 J501.4 U503.C7
USIM_RST-main: J111.1 R143.2
USIM_RST-sim: D501.5 J501.1 U503.C2
USIM_VDD-main: J111.5 U116.36
USIM_VDD-sim: C501.2 D501.4 J501.5 U503.C1
VOUT-plugs: C209.1 J202.6 Q202.3 TP201.2
~{EN_RP2040_POWER}-main: Q101.1 R101.1 U117.20
~{LED_B}-main: LED101.3 R159.2
~{LED_G}-main: LED101.4 R158.2
~{LED_R}-main: LED101.1 R157.2
~{PI_POWERED_OFF}-main: J110.13 U117.8
~{PI_SHUTDOWN}-main: J110.37 R156.2
~{READ_ATTINY_CMD_REG}-main: J110.36 R154.2 U102.6
~{RTC_INT}-main: U105.3 U117.16
~{W_DISABLE1}-main: J110.11 R142.2 U116.8
Net-(C228-Pad1)-plugs: C228.1 R202.1 R203.1 R217.1
Net-(D102-K)-main: D102.1 R113.2
Net-(D201-A)-plugs: D201.2 Q201.1 R201.1
Net-(J110-GPIO14/TXD)-main: J110.8 R118.1
Net-(J110-GPIO18/PWM0)-main: J110.12 R119.2
Net-(J110-GPIO19/MISO1)-main: J110.35 R120.2
Net-(J110-GPIO21/SCLK1)-main: J110.40 R121.2
Net-(J201-Pad4)-plugs: J201.4 R217.2
Net-(Q202-G)-plugs: Q202.1 Q203.3 R204.1
Net-(Q203-G)-plugs: Q203.1 R205.2 R206.2
Net-(R127-Pad1)-main: R127.1 R128.2
Net-(R152-Pad2)-main: R152.2 R153.1
Net-(U102-XIN)-main: C115.2 U102.20 Y101.1
Net-(U102-XOUT)-main: C116.2 U102.21 Y101.3
Net-(U107-~{SD_MODE})-main: R116.2 U107.A1
Net-(U108-READY)-main: R117.2 U108.5
Net-(U109-1Y2)-main: TP125.1 U109.15
Net-(U109-1Y3)-main: TP129.1 U109.11
Net-(U109-2Y2)-main: TP124.1 U109.2
Net-(U109-2Y3)-main: TP127.1 U109.4
Net-(U109-S1)-main: R126.2 TP130.1 U109.9
Net-(U114-SPI_MISO)-main: R135.2 U114.12
Net-(U115-FB)-main: R138.2 R140.1 U115.3
Net-(U115-PG)-main: R139.2 U115.14
Net-(U116-USIM_CLK)-main: R144.1 U116.32
Net-(U116-USIM_DATA)-main: R145.1 U116.34
Net-(U116-USIM_RST)-main: R143.1 U116.30
Net-(U117-PA5)-main: R157.1 U117.6
Net-(U117-PA6)-main: SW101.1 U117.7
Net-(U117-PB2)-main: R158.1 U117.12
